# Altium PCB zehnder-comfoair-esp32.PcbDoc
Units mil, origin at the board's own origin, x right, y up, seen from the top; angles counter-clockwise.
Board outline 1795.28 x 1952.76 mil, 2 copper layers (Top Layer, Bottom Layer); 15 components, 18 nets, 112 pads, 11 vias.
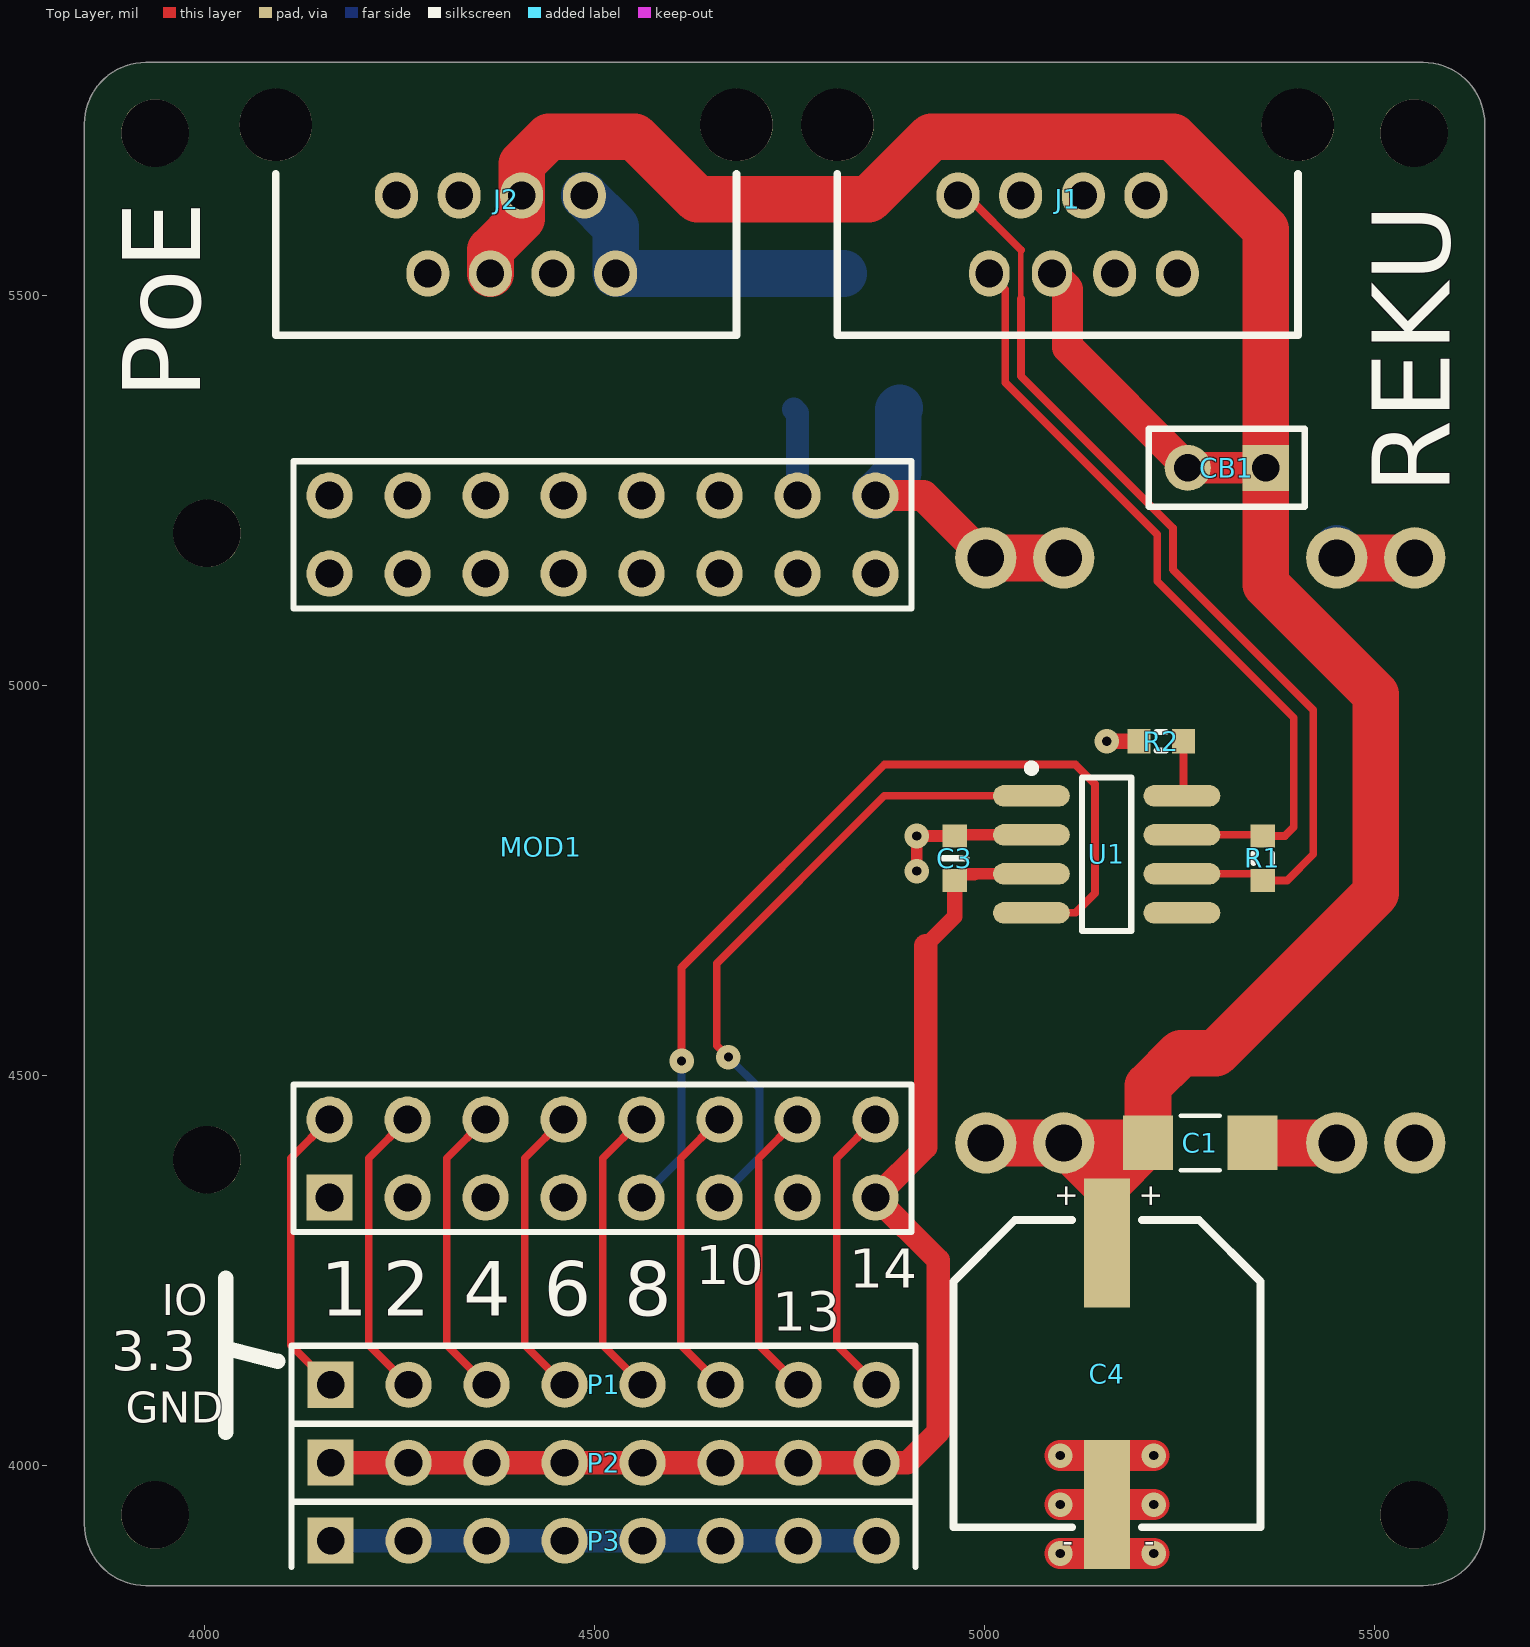
[diagram p0: Top Layer view]
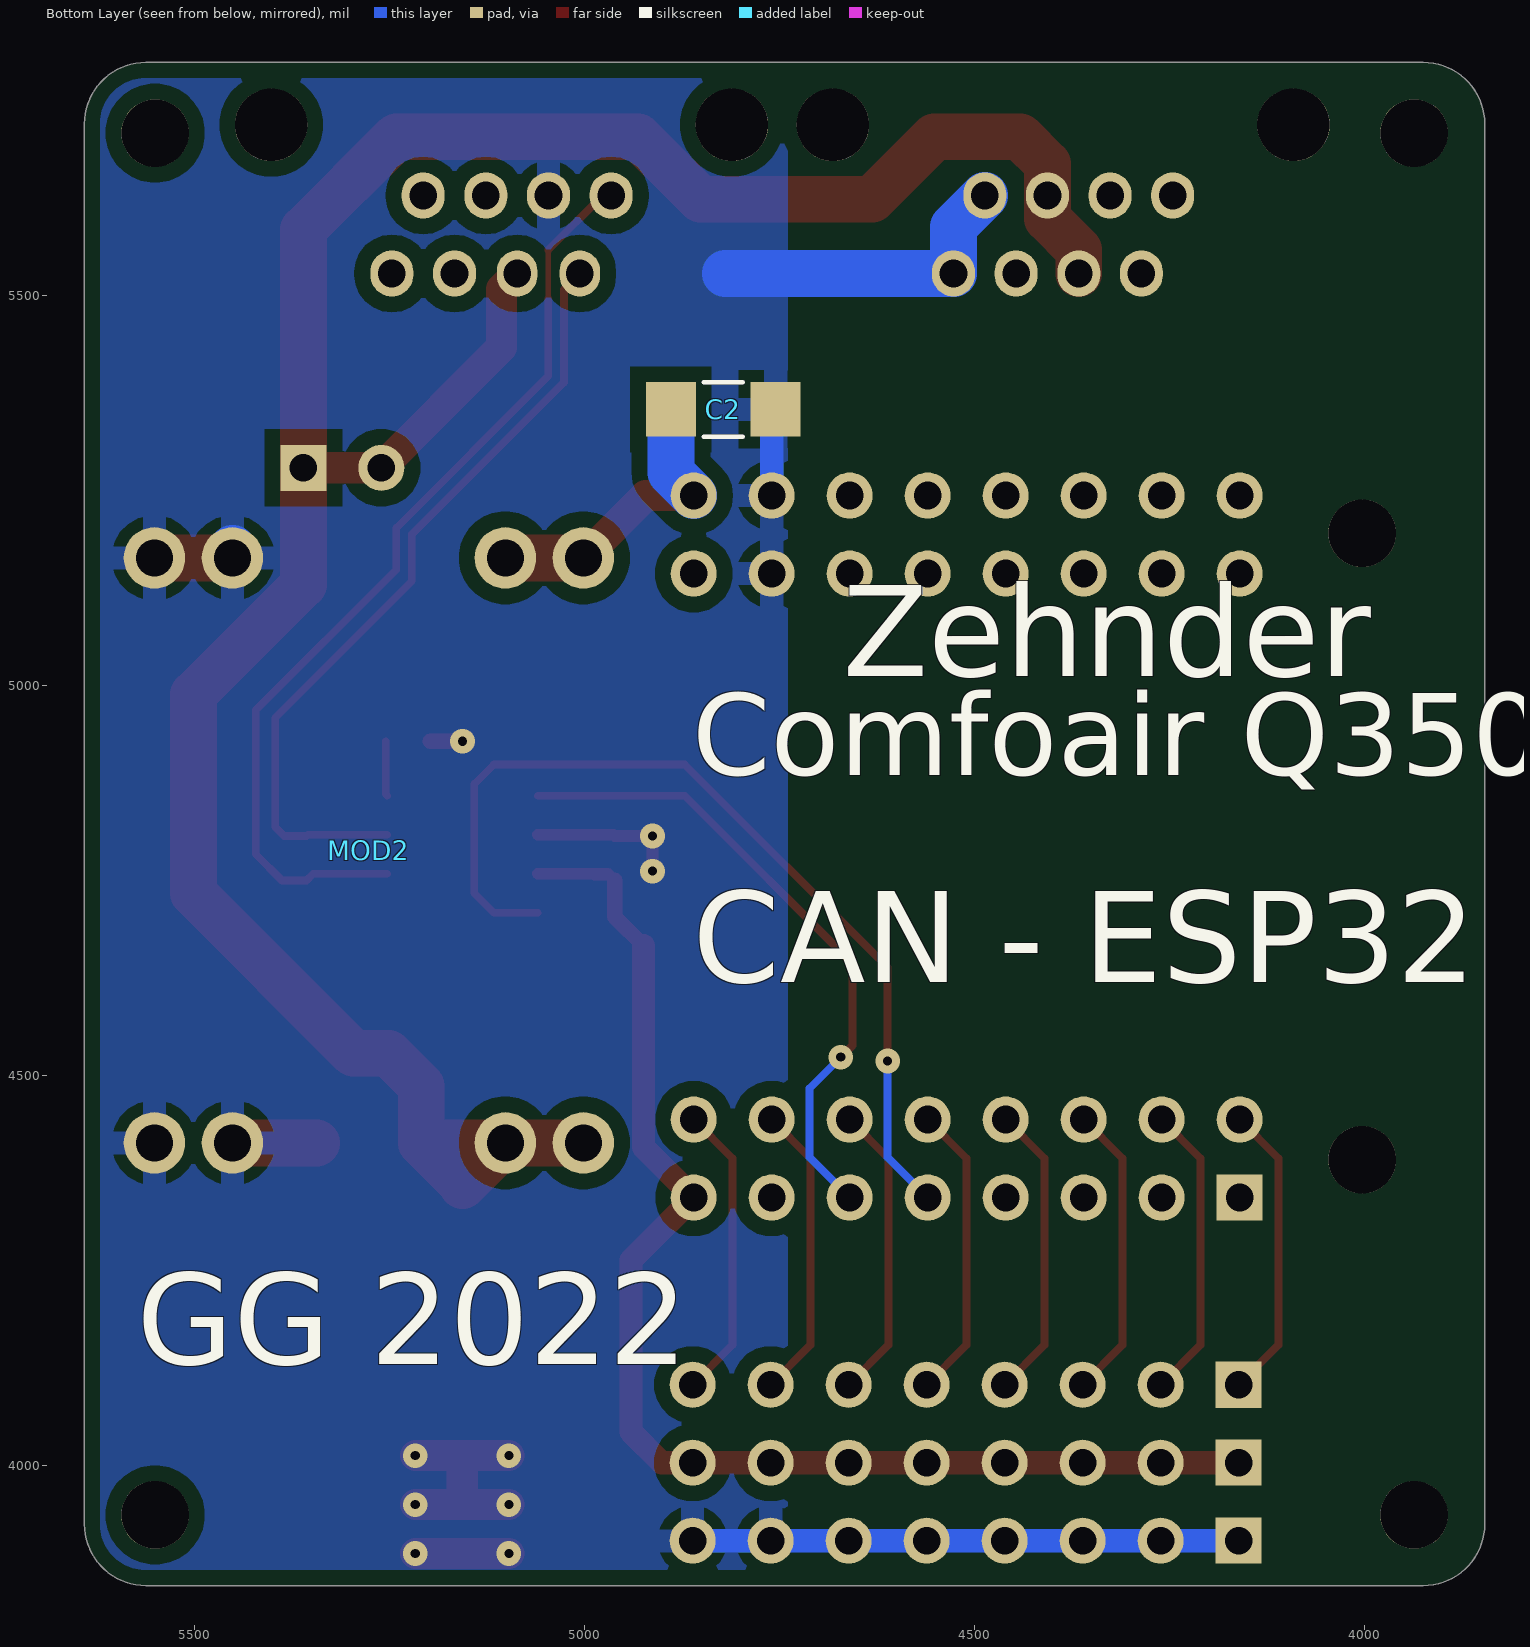
[diagram p1: Bottom Layer view, seen from below]

## Layer stack, top to bottom
Top Solder: solder mask 0.4, Solder Resist, Dk 3.5
Top Layer: signal copper 1.4
Dielectric 1: dielectric 12.6, FR-4, Dk 4.8
Bottom Layer: signal copper 1.4
Bottom Solder: solder mask 0.4, Solder Resist, Dk 3.5

## Board outline
3846.46,3925.2 3846.46,5720.47 cw(c3925.2,5720.47) 3925.2,5799.21 5562.99,5799.21 cw(c5562.99,5720.47) 5641.73,5720.47 5641.73,3925.2 cw(c5562.99,3925.2) 5562.99,3846.46 3925.2,3846.46 cw(c3925.2,3925.2)

## Design rules (kind name [scope] priority, off if disabled: settings)
BoardOutlineClearance [All] p1: gap=19.68 ignorepadtopadclearanceinfootprint=FALSE
Clearance Clearance_polygon [InPolygon] p1: gap=20 ignorepadtopadclearanceinfootprint=FALSE
Clearance [All] p2: gap=10 ignorepadtopadclearanceinfootprint=FALSE
ComponentClearance ComponentClearance_1 [HasFootprint('P_HEADER_1x8_2.54')] p1: gap=0 collisioncheckmode=3 verticalgap=0 showdistances=FALSE
ComponentClearance [All] p2: gap=10 collisioncheckmode=3 verticalgap=10 showdistances=FALSE
HoleSize [All] p1: absolutevalues=TRUE maxlimit=100 minlimit=11.81 maxpercent=80.000 minpercent=20.000
MinimumAnnularRing [All] p1: minimumring=8
MinimumSolderMaskSliver BQFN41 [HasFootprint('BQFN41_11x9')] p1: minsoldermaskwidth=0
MinimumSolderMaskSliver [All] p2: minsoldermaskwidth=1
PolygonConnect VIA [IsVia] p1: connectstyle=Direct reliefconductorwidth=10 reliefentries=4 polygonreliefangle="90 Angle" airgapwidth=10
PolygonConnect [All] p2: connectstyle=Relief reliefconductorwidth=30 reliefentries=4 polygonreliefangle="90 Angle" airgapwidth=15
RoutingVias [All] p1: holewidth=11.81 width=31.5 viastyle="Through Hole" minholewidth=11.81 minwidth=31.5 maxholewidth=11.81 maxwidth=31.5
SilkToSilkClearance [All] p1: silktosilkclearance=1
SilkToSolderMaskClearance [IsPad] p1: minsilkscreentomaskgap=1 clearancetoexposedcopper=TRUE
SolderMaskExpansion [All] p1: expansion=4 istentingtop=FALSE
Width [All] p1: maxlimit=100 minlimit=7 preferedwidth=10 minimp=50.000000 maximp=50.000000 favimp=50.000000
25 further rules are at their usual default settings.

## Components (designator, comment, footprint, x,y, rotation, side; value= is the part's Value field where it differs from the comment)
C1 "Ceramic X7R" C_1206_3216 5277.01,4413.94 r0 top value=100nF
C2 "Ceramic X7R" C_1206_3216 4822.83,5354.33 r180 bottom value=100nF
C3 "Ceramic X7R" C_0603_1608 4962.01,4778.94 r90 top value=100nF
C4 "Electrolytic Capacitor" CE_D_10x10MM 5157.48,4118.11 r270 top value=100uF
CB1 "Goldpin" P_HEADER_1x2_2.54 5311.02,5279.53 r180 top
J1 "Modular Connector, Modular Jack, 1 x 1 (Port), 8P8C, Cat3" J_RJ45_MJ3225-88-0#1 5107.01,5673.94 r180 top value=MJ3225-88-0
J2 "Modular Connector, Modular Jack, 1 x 1 (Port), 8P8C, Cat3" J_RJ45_MJ3225-88-0#2 4387.01,5673.94 r180 top value=MJ3225-88-0
MOD1 "ESP32-S2FN4R2 mini wifi board" MOD_ESP32_WEMOS_S2_MINI 4527.01,4793.94 r90 top locked value=MOD_ESP32_WEMOS_S2_MINI
MOD2 "Low cost, Aliexpress-ready DC-DC buck converter using MP1584" MOD_BUCK_MP1584 5277.01,4788.94 r90 bottom locked value=-
P1 "Goldpin" P_HEADER_1x8_2.54 4512.01,4103.94 r0 top
P2 "Goldpin" P_HEADER_1x8_2.54 4512.01,4003.94 r0 top
P3 "Goldpin" P_HEADER_1x8_2.54 4512.01,3903.94 r0 top
R1 "Resistor" R_0603_1608 5357.01,4778.94 r270 top value=120R
R2 "Resistor" R_0603_1608 5227.01,4928.94 r0 top value=10k
U1 "SN65HVD23x 3.3-V CAN Bus Transceivers" SOP8_SO8_SOIC8_4X5X18 5157.01,4783.94 r0 top value=SN65HVD230DR

## Footprints (in the part's own frame and the unit in brackets; to place one, negate y for a bottom-side part, rotate by r counter-clockwise, add the part's x,y. Pads: shape width x height; smd on the part's side, far side on the other; paste and mask are expansions set on the pad)
C_0603_1608 [mm]
  rect 0.75x0.8 smd: 1(-0.725,0) 2(0.725,0)
  silkscreen extent 0,-0.38 0,0.38, body extent -0.85,-0.45 0.85,0.45, height 0.89
C_1206_3216 [mil]
  rect 64x70 smd: 1(-67,0) 2(67,0)
  silkscreen extent -25,-35 25,35, body extent -67,-35 67,35, height 39
CE_D_10x10MM [mm]
  rect 4.2x1.5 smd: 1(-4.262,0) 2(4.262,0)
  silkscreen extent -5,-5 5,5, body extent -5.8,-5.15 5.8,5.15, height 10.2
J_RJ45_MJ3225-88-0#1 [mm]
  oval 1.4x1.5 hole 0.9: 1(3.57,1.15) 3(1.53,1.15) 5(-0.51,1.15) 6(-1.53,3.69) 7(-2.55,1.15) 8(-3.57,3.69)
  oval 1.31x1.5 hole 0.9: 2(2.55,3.69) 4(0.51,3.69)
  round 2.36 hole 2.36 unplated: DNC(-7.5,-1.15) DNC(7.5,-1.15)
  silkscreen extent -7.5,0.45 7.5,5.7, body extent -8.75,-7.15 8.75,5.7, height 14.5
J_RJ45_MJ3225-88-0#2 [mm]
  oval 1.4x1.5 hole 0.9: 1(3.57,1.15) 2(2.55,3.69) 3(1.53,1.15) 4(0.51,3.69) 5(-0.51,1.15) 6(-1.53,3.69) 7(-2.55,1.15) 8(-3.57,3.69)
  round 2.36 hole 2.36 unplated: DNC(-7.5,-1.15) DNC(7.5,-1.15)
  silkscreen extent -7.5,0.45 7.5,5.7, body extent -8.75,-7.15 8.75,5.7, height 14.5
MOD_BUCK_MP1584 [mm] "Normal"
  round 2 hole 1.2: 1(-9.525,-6.985) 2(-9.525,-4.445) 3(-9.525,4.445) 4(-9.525,6.985) 5(9.525,-6.985) 6(9.525,-4.445) 7(9.525,4.445) 8(9.525,6.985)
  body extent -11.25,-8.65 11.25,8.65, height 6.69
MOD_ESP32_WEMOS_S2_MINI [mm]
  rect 1.5x1.5 hole 0.9: 1(-11.43,9.305)
  round 1.5 hole 0.9: 2(-8.89,9.305) 3(-11.43,6.765) 4(-8.89,6.765) 5(-11.43,4.225) 6(-8.89,4.225) 7(-11.43,1.685) 8(-8.89,1.685) 9(-11.43,-0.855) 10(-8.89,-0.855) 11(-11.43,-3.395) 12(-8.89,-3.395) 13(-11.43,-5.935) 14(-8.89,-5.935) 15(-11.43,-8.475) 16(-8.89,-8.475) 17(8.89,9.305) 18(11.43,9.305) 19(8.89,6.765) 20(11.43,6.765) 21(8.89,4.225) 22(11.43,4.225) 23(8.89,1.685) 24(11.43,1.685) 25(8.89,-0.855) 26(11.43,-0.855) 27(8.89,-3.395) 28(11.43,-3.395) 29(8.89,-5.935) 30(11.43,-5.935) 31(8.89,-8.475) 32(11.43,-8.475)
  round 2.2 hole 2.2 unplated: DNC(-10.2,13.297) DNC(10.2,13.297)
  silkscreen extent -12.55,-9.64 12.55,10.47, body extent -12.74,-17.16 13.68,17.15, height 15.07
P_HEADER_1x2_2.54 [mm] "Connector; Header; 2 Position; Straight; Male"
  rect 1.5x1.5 hole 0.9: 1(-1.27,0)
  round 1.5 hole 0.9: 2(1.27,0)
  silkscreen extent -2.54,-1.27 2.54,1.27, body extent -2.44,-1.25 2.64,1.25, height 8.2
P_HEADER_1x8_2.54 [mm] "Connector; Header; 8 Position; Male"
  rect 1.5x1.5 hole 0.9: 1(-8.89,0)
  round 1.5 hole 0.9: 2(-6.35,0) 3(-3.81,0) 4(-1.27,0) 5(1.27,0) 6(3.81,0) 7(6.35,0) 8(8.89,0)
  silkscreen extent -10.16,-1.27 10.16,1.27, body extent -10.06,-1.25 10.26,1.25, height 8.2
R_0603_1608 [mm]
  rect 0.75x0.8 smd: 1(-0.725,0) 2(0.725,0)
  silkscreen extent -0.15,-0.3 0.15,0.3, body extent -0.87,-0.47 0.88,0.48, height 0.54
SOP8_SO8_SOIC8_4X5X18 [mm]
  oval 2.5x0.7 smd: 1(-2.45,1.905) 2(-2.45,0.635) 3(-2.45,-0.635) 4(-2.45,-1.905) 5(2.45,-1.905) 6(2.45,-0.635) 7(2.45,0.635) 8(2.45,1.905)
  silkscreen extent -2.57,-2.5 0.8,2.93, body extent -3,-2.45 3,2.45, height 1.7

## Part data
C1 C2: library part C_100nF_100V_X7R_1206_10, "Capacitor", Dielectric=X7R, Manufacturer=Samsung, Manufacturer Part Number=CL31B104KCFNNNE, Tolerance (%)=10, Voltage=100V, HelpURL=https://datasheet.octopart.com/CL31B104KCFNNNE-Samsung-datasheet-8331463.pdf, Part Number=C_100nF_100V_X7R_1206_10, SCH_Footprint=1206, Supplier 1=TME, Supplier 2="RS Components", Supplier 3=Farnell, Supplier 4=Mouser, Supplier 5=Digi-Key, Supplier 6=LCSC
C3: library part C_100nF_50V_X7R_0603_5, "Capacitor", Dielectric=X7R, Manufacturer=Samsung, Manufacturer Part Number=CL10B104JB8NNNC, Tolerance (%)=5, Voltage=50V, HelpURL=http://www.tme.eu/pl/Document/4a42202b32dab16128fe107dd69598cc/samsung-chip-cap.pdf, Part Number=C_100nF_50V_X7R_0603_5, SCH_Footprint=0603, Supplier 1=TME, Supplier 2="RS Components", Supplier 3=Farnell, Supplier 4=Mouser, Supplier 5=Digi-Key, Supplier 6=LCSC, Supplier Part Number 1=CL10B104JB8NNNC, Supplier Part Number 2=7665455, Supplier Part Number 5=1276-1033-1-ND, Supplier Part Number 6=C24452
C4: library part CE_100uF_50V_AL2O3_10x10_20, "Polarized Capacitor", Dielectric=AL2O3, Manufacturer=Nichicon, Manufacturer Part Number=UUX1H101MNL1GS, Tolerance (%)=20, Voltage=50V, HelpURL=https://datasheet.octopart.com/UUX1H101MNL1GS-Nichicon-datasheet-62047998.pdf, Part Number=CE_100uF_50V_AL2O3_10x10_20, SCH_Footprint=10x10, Supplier 1=TME, Supplier 2="RS Components", Supplier 3=Farnell, Supplier 4=Mouser, Supplier 5=Digi-Key, Supplier 6=LCSC, Supplier Part Number 1=UUX1H101MNL1GS, Supplier Part Number 2=739-3107, Supplier Part Number 3=2841943, Supplier Part Number 4=647-UUX1H101MNL1GS, Supplier Part Number 5=493-6269-1-ND
CB1: library part CB_GOLDPIN, "Circuit Breaker", Part Number=CB_GOLDPIN, SCH_Footprint="1x2 2.54mm", Supplier 1=TME, Supplier 2="RS Components", Supplier 3=Farnell, Supplier 4=Mouser, Supplier 5=Digi-Key, Supplier 6=LCSC
J1 J2: library part J_RJ45_MJ3225-88-0, Manufacturer="Global Connector Technology", Manufacturer Part Number=MJ3225-88-0, HelpURL=https://www.farnell.com/cad/3781788.pdf, Part Number=J_RJ45_MJ3225-88-0, SCH_Footprint=J_RJ45, Supplier 1=TME, Supplier 2="RS Components", Supplier 3=Farnell, Supplier 4=Mouser, Supplier 5=Digi-Key, Supplier 6=LCSC, Supplier 7=Newark, Supplier Part Number 3=4071641, Supplier Part Number 7=61AK4308
MOD1: library part MOD_ESP32_WEMOS_S2_MINI, Manufacturer=Wemos, HelpURL=https://www.wemos.cc/en/latest/s2/s2_mini.html, Manufacturer Part Number=MOD_ESP32_WEMOS_S2_MINI, Part Number=MOD_ESP32_WEMOS_S2_MINI, SCH_Footprint=25.4x34.3mm, Supplier 1=TME, Supplier 2="RS Components", Supplier 3=Farnell, Supplier 4=Mouser, Supplier 5=Digi-Key, Supplier 6=LCSC, Supplier 7=Aliexpress, Supplier Part Number 7=https://pl.aliexpress.com/item/1005003145192016.html
MOD2: library part MOD_BUCK_MP1584, Manufacturer=-, HelpURL=https://pl.aliexpress.com/item/32341006065.html, Manufacturer Part Number=-, Part Number=MOD_BUCK_MP1584, SCH_Footprint=17.3x22.5mm, Supplier 1=TME, Supplier 2="RS Components", Supplier 3=Farnell, Supplier 4=Mouser, Supplier 5=Digi-Key, Supplier 6=LCSC, Supplier 7=-, Supplier Part Number 7=-
P1 P2 P3: library part P_HEADER_1x8_2.54, "Pin Header", Manufacturer=Connfly, Manufacturer Part Number=DS1021-1*8SF1-1, Supplier Part Number 1=ZL201-08G, HelpURL=http://www.tme.eu/en/Document/cc301e58a5da78cb543a94b5a5b7f06a/DS1021.pdf, Part Number=P_HEADER_1x8_2.54, Supplier 1=TME, Supplier 2="RS Components", Supplier 3=Farnell, Supplier 4=Mouser, Supplier 5=Digi-Key, Supplier 6=LCSC
R1: library part R_120R_0603_1, Manufacturer=Panasonic, Manufacturer Part Number=ERJ3EKF1200V, Power=100mW, Tolerance=1%, Voltage=75V, HelpURL=http://www.farnell.com/datasheets/1911175.pdf, Part Number=R_120R_0603_1, SCH_Footprint=0603, Supplier 1=TME, Supplier 2="RS Components", Supplier 3=Farnell, Supplier 4=Mouser, Supplier 5=Digi-Key, Supplier 6=LCSC, Supplier Part Number 2=1051578, Supplier Part Number 3=2397612, Supplier Part Number 4=667-ERJ-3EKF1200V, Supplier Part Number 5=P120HCT-ND
R2: library part R_10k_0603_1, Manufacturer=Vishay, Manufacturer Part Number=CRCW060310K0FKTABC, Power=100mW, Tolerance=1%, Voltage=75V, HelpURL=http://www.tme.eu/pl/Document/622e28308c06d160637f2b14751ba16b/Data%20Sheet%20CRCW_BCe3.pdf, Part Number=R_10k_0603_1, SCH_Footprint=0603, Supplier 1=TME, Supplier 2="RS Components", Supplier 3=Farnell, Supplier 4=Mouser, Supplier 5=Digi-Key, Supplier 6=LCSC, Supplier Part Number 1=CRCW060310K0FKTABC, Supplier Part Number 4=667-ERJ-3EKF1002V, Supplier Part Number 5=P10KGCT-ND
U1: library part U_SN65HVD230DR, Manufacturer="Texas Instruments", Manufacturer Part Number=SN65HVD230DR, HelpURL=http://www.ti.com/lit/ds/symlink/sn65hvd230.pdf, Part Number=U_SN65HVD230DR, SCH_Footprint=SOP8_SO8_SOIC8_4X5X18, Supplier 1=TME, Supplier 2="RS Components", Supplier 3=Farnell, Supplier 4=Mouser, Supplier 5=Digi-Key, Supplier 6=LCSC, Supplier 7="Arrow Electronics", Supplier Part Number 1=SN65HVD230DR, Supplier Part Number 2=2184566, Supplier Part Number 3=3124671, Supplier Part Number 4=595-SN65HVD230DR, Supplier Part Number 5=296-11654-1-ND, Supplier Part Number 7=SN65HVD230DR

## Free pads (board coordinates)
  round 86.61 hole 86.61 unplated: ""(3937.01,3937.01) ""(3937.01,5708.66) ""(5551.18,3937.01) ""(5551.18,5708.66)

## Via types
v1: diameter 31.5, hole 11.81, Top Layer to Bottom Layer, tented both sides, 11 vias

## Nets (pads, with @x,y where several pads share a name; then routed paths per layer and width w, separated by ;. In a path a pad name is that pad's centre, name@x,y a point inside that pad or via, vN(x,y) a via of type N, cw(c..) or ccw(c..) an arc to the next point about the centre after c; other vN are vias at no path point)
+3.3V: C3.1 MOD1.15 P2.1 P2.2 P2.3 P2.4 P2.5 P2.6 P2.7 P2.8 U1.3 | length 1708.2
  Top Layer w15: 4987.56,4757.66 4969.27,4757.66 C3.1 4970.55,4758.94 U1.3
  Top Layer w20: 4924.98,4666.91 4962.01,4703.94 C3.1
  Top Layer w30: P2.1 P2.2 P2.3 P2.4 P2.5 P2.6 P2.7 P2.8 4901.58,4003.94 4940.94,4043.31 4940.94,4263.67 MOD1.15 4924.98,4408.25 4924.98,4666.91
+12V: C1.1 C4.1 CB1.1 J2.4 J2.5 MOD2.1 MOD2.2 | length 2980.4
  Top Layer w60: J2.4 4366.93,5558.86 4407.09,5599.02 J2.5 4407.09,5669.02 4442.01,5703.94 4552.01,5703.94 4632.01,5623.94 4852.01,5623.94 4932.01,5703.94 5242.01,5703.94 5361.02,5584.93 CB1.1 5361.02,5129.93 5502.01,4988.94 5502.01,4733.94 5297.01,4528.94 5252.01,4528.94 5210.01,4486.94 C1.1 ; MOD2.1 MOD2.2 ; MOD2.2 5157.01,4358.94 5157.01,4360.94 C1.1 ; MOD2.2 C1.1
+VBUS: C2.1 MOD1.32 MOD2.5 MOD2.6 | length 399.8
  Top Layer w40: MOD1.32 4922.01,5243.94 MOD2.5
  Top Layer w60: MOD2.5 MOD2.6
  Bottom Layer w60: MOD1.32 4889.83,5273.11 C2.1 C2.1@4891.83,5356.33
CAN_HIGH: J1.2 R1.1 U1.7 | length 1020.3
  Top Layer w10: J1.2 5027.01,5508.27 5027.01,5388.94 5222.01,5193.94 5222.01,5133.94 5397.01,4958.94 5397.01,4818.94 5385.55,4807.49 R1.1 5355.55,4808.94 U1.7
CAN_LOW: J1.1 R1.2 U1.6 | length 1225.7
  Top Layer w7: 5047.01,5496.3 5047.01,5558.94
  Top Layer w10: J1.1 4977.28,5628.67 5047.01,5558.94 ; 5047.01,5496.3 5047.01,5397.23 5242.01,5202.23 5242.01,5148.94 5422.01,4968.94 5422.01,4783.94 5388.46,4750.4 R1.2 5348.46,4758.94 U1.6
CAN_RX: MOD1.9 U1.4 | length 1196.1
  Top Layer w10: v1(4612.01,4518.94) 4612.01,4638.94 4872.01,4898.94 5117.01,4898.94 5142.01,4873.94 5142.01,4733.94 5117.01,4708.94 U1.4
  Bottom Layer w10: MOD1.9 4612.01,4395.28 v1(4612.01,4518.94)
CAN_TX: MOD1.11 U1.1 | length 836.6
  Top Layer w10: v1(4672.01,4523.94) 4657.01,4538.94 4657.01,4643.94 4872.01,4858.94 U1.1
  Bottom Layer w10: MOD1.11 4712.01,4395.28 4712.01,4483.94 v1(4672.01,4523.94)
GND: C1.2 C2.2 C3.2 C4.2 J1.3 J2.7 J2.8 MOD1.29 MOD1.30 MOD2.3 MOD2.4 MOD2.7 MOD2.8 P3.1 P3.2 P3.3 P3.4 P3.5 P3.6 P3.7 P3.8 R2.1 U1.2 | length 2278.4
  Top Layer w15: v1(4913.46,4762.49) v1(4913.46,4807.49) C3.2 4963.46,4808.94 U1.2
  Top Layer w20: v1(5157.01,4928.94) R2.1
  Top Layer w40: v1(5097.48,3887.52) v1(5217.48,3887.52) ; v1(5097.48,3950.31) C4.2 ; v1(5097.48,4013.11) C4.2@5157.48,4013.11 ; v1(5217.48,3950.31) C4.2 ; v1(5217.48,4013.11) C4.2@5157.48,4013.11 ; C4.2@5157.48,3887.52 v1(5217.48,3887.52) ; C4.2@5157.48,3887.52 v1(5217.48,3887.52) ; C4.2@5157.48,3887.52 v1(5217.48,3887.52) ; C4.2 C4.2@5157.48,4013.11
  Top Layer w60: C1.2 MOD2.3 ; MOD2.7 MOD2.8
  Bottom Layer w30: P3.1 P3.2 P3.3 P3.4 P3.5 P3.6 P3.7 P3.8 ; C2.2 4760.67,5349.5 MOD1.30
  Bottom Layer w60: J2.7 4527.56,5588.51 J2.8 4820,5528.67 ; MOD2.7 MOD2.7@5452.01,5175.94
NetCB1_2: CB1.2 J1.4 | length 421.3
  Top Layer w40: J1.4 5107.01,5508.59 5107.01,5433.94 5261.02,5279.93 CB1.2 5361.02,5279.53
NetMOD1_2: MOD1.2 P1.1 | length 381.7
  Top Layer w10: MOD1.2 4111.02,4394.3 4111.02,4154.93 P1.1
NetMOD1_4: MOD1.4 P1.2 | length 381.7
  Top Layer w10: MOD1.4 4211.02,4394.3 4211.02,4154.93 P1.2
NetMOD1_6: MOD1.6 P1.3 | length 381.7
  Top Layer w10: MOD1.6 4311.02,4394.3 4311.02,4154.93 P1.3
NetMOD1_8: MOD1.8 P1.4 | length 381.7
  Top Layer w10: MOD1.8 4411.02,4394.3 4411.02,4154.93 P1.4
NetMOD1_10: MOD1.10 P1.5 | length 381.7
  Top Layer w10: MOD1.10 4511.02,4394.3 4511.02,4154.93 P1.5
NetMOD1_12: MOD1.12 P1.6 | length 381.7
  Top Layer w10: MOD1.12 4611.02,4394.3 4611.02,4154.93 P1.6
NetMOD1_14: MOD1.14 P1.7 | length 381.7
  Top Layer w10: MOD1.14 4711.02,4394.3 4711.02,4154.93 P1.7
NetMOD1_16: MOD1.16 P1.8 | length 381.7
  Top Layer w10: MOD1.16 4811.02,4394.3 4811.02,4154.93 P1.8
NetR2_2: R2.2 U1.8 | length 70.9
  Top Layer w10: U1.8 5255.55,4861.03 R2.2
pads on no net: J1.5 J1.6 J1.7 J1.8 J1.DNC J2.1 J2.2 J2.3 J2.6 J2.DNC MOD1.1 MOD1.3 MOD1.5 MOD1.7 MOD1.13 MOD1.17 MOD1.18 MOD1.19 MOD1.20 MOD1.21 MOD1.22 MOD1.23 MOD1.24 MOD1.25 MOD1.26 MOD1.27 MOD1.28 MOD1.31 MOD1.DNC U1.5

## Polygon pours and split planes (outlines as drawn)
GND on Bottom Layer "GND_L02_P000" (solid, pour order 0): 4740.16,5948.82 4740.16,3767.72 4877.95,3629.92 5799.21,3629.92 5799.21,3897.64 6051.18,4149.61 5996.06,4204.72 5996.06,5885.83

## Silkscreen, mask and mechanical layers (free items; w line width, h text height)
Top Overlay:
  lines w20: 4027.56,4043.31 4027.56,4240.16 ; 4031.5,4149.61 4094.49,4133.86
  text "PoE" at 3994.68,5367.52 h100 r90
  text "REKU" at 5597.05,5245.47 h100 r90
  text "10" at 4630.11,4232.47 h50
  text "14" at 4826.96,4228.54 h50
  text "IO" at 3945.86,4193.1 h40
  text "1" at 4148.86,4192.17 h70
  text "2" at 4228.8,4192.17 h70
  text "4" at 4332.08,4192.17 h70
  text "6" at 4435.35,4192.17 h70
  text "8" at 4538.62,4192.17 h70
  text "13" at 4728.54,4173.42 h50
  text "3.3" at 3880.88,4122.24 h50
  text "GND" at 3899.21,4055.31 h40
Bottom Overlay:
  text "Zehnder" at 4669.65,4973.5 h200
  text "Comfoair Q350" at 4862.2,4850.49 h180
  text "CAN - ESP32" at 4861.82,4581.74 h200
  text "GG 2022" at 5574.8,4091.42 h200
Mechanical 1:
  the board outline again, w10
Mechanical 13:
  lines w5: 4032.68,5449.53 4032.01,5449.53 4032.01,5348.94 4741.34,5348.94 4741.34,5449.53

## Text inside footprints (layer, text, board x,y; h text height)
C4: Top Overlay "-" at 5114.48,3911.11 h27.56 r180; Top Overlay "-" at 5218.48,3911.11 h27.56 r180; Top Overlay "+" at 5117.48,4330.11 h27.56 r90; Top Overlay "+" at 5225.48,4330.11 h27.56 r90